# Altium PCB AquaDrone_Main_PCB_V1.PcbDoc (continued)
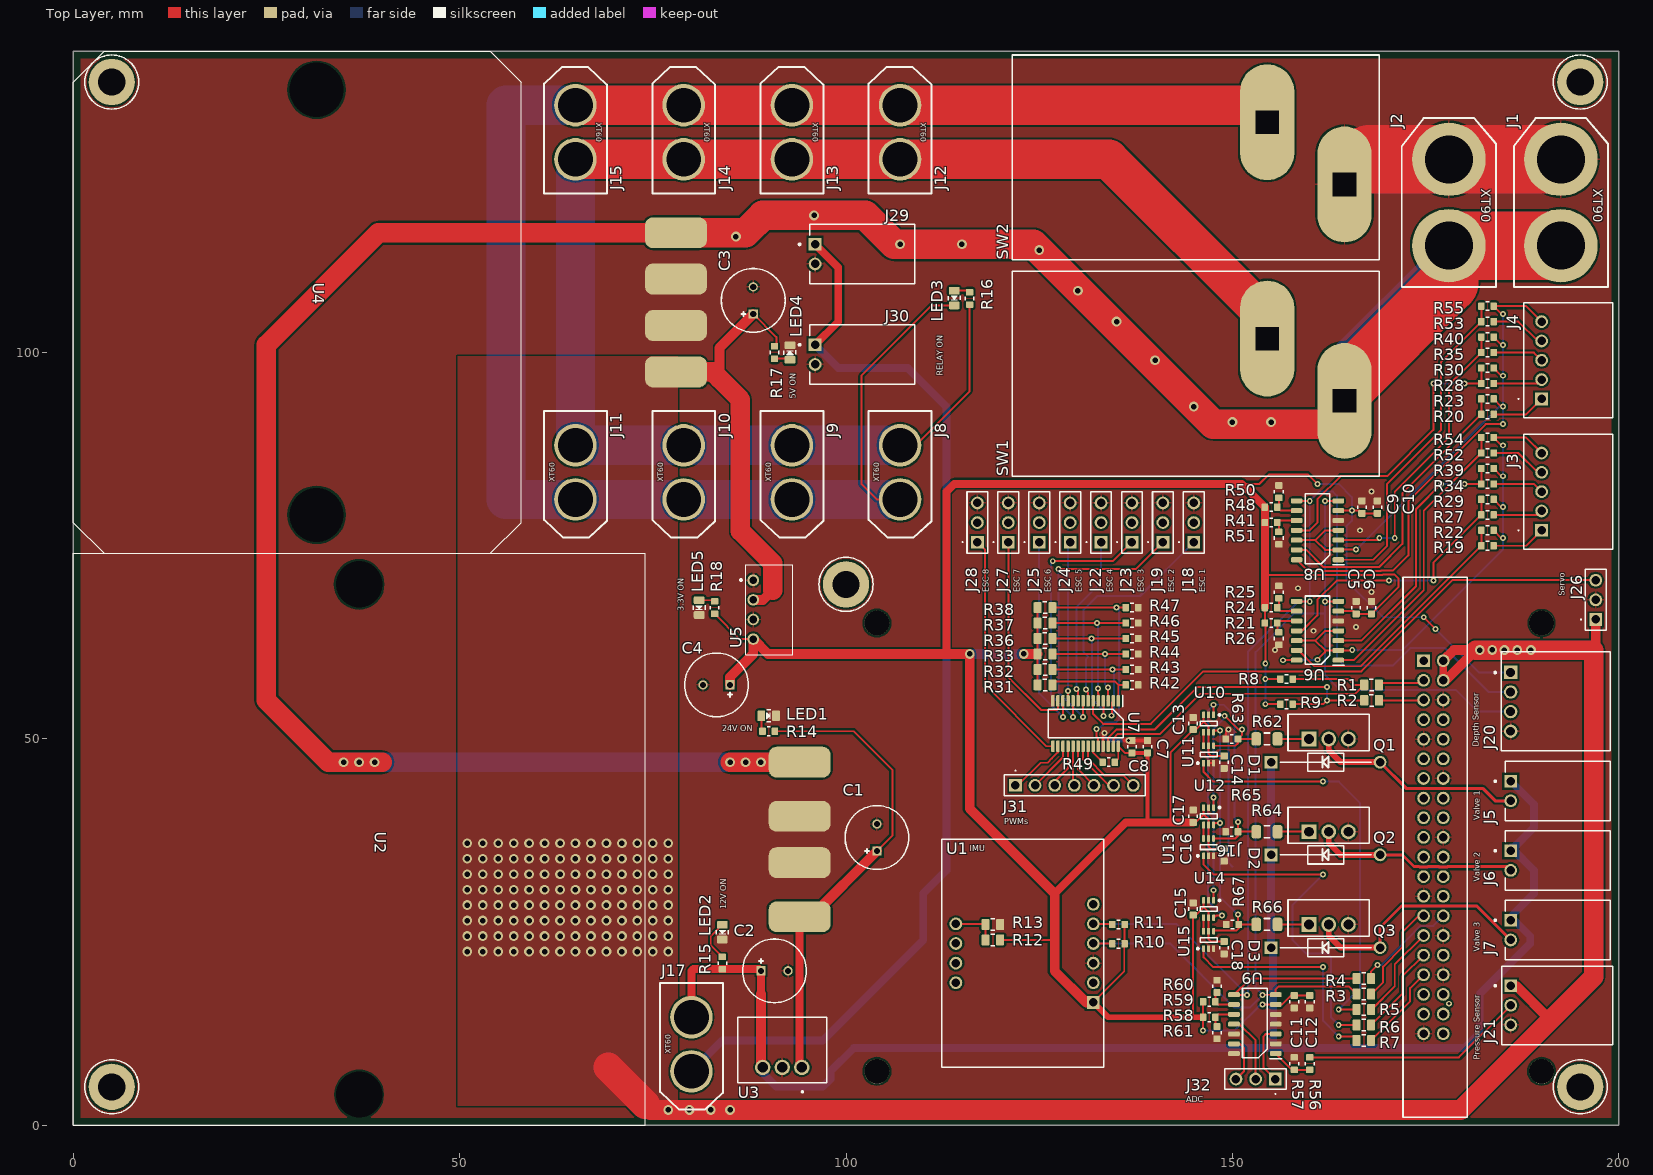
[diagram p0: Top Layer view]
## Footprints (in the part's own frame and the unit in brackets; to place one, negate y for a bottom-side part, rotate by r counter-clockwise, add the part's x,y. Pads: shape width x height; smd on the part's side, far side on the other; paste and mask are expansions set on the pad)
61300311121 [mm]
  rect 1.65x1.65 hole 1.1: 1(0,0)
  round 1.65 hole 1.1: 2(2.54,0) 3(5.08,0)
  silkscreen extent -1.42,-1.35 6.51,1.91, body extent -1.27,-1.27 6.35,1.27, height 8.57
61300711121 [mm]
  rect 1.65x1.65 hole 1.1: 1(0,0)
  round 1.65 hole 1.1: 2(2.54,0) 3(5.08,0) 4(7.62,0) 5(10.16,0) 6(12.7,0) 7(15.24,0)
  silkscreen extent -1.42,-1.35 16.8,1.93, body extent -1.27,-1.26 16.51,1.28, height 8.67
BNO055 [mm]
  rect 1.65x1.65 hole 1.1: 1(0,0)
  round 1.65 hole 1.1: 2(2.54,0) 3(5.08,0) 4(7.62,0) 5(10.16,0) 6(12.7,0) 7(10.16,17.78) 8(7.62,17.78) 9(5.08,17.78) 10(2.54,17.78)
  silkscreen extent -8.4,-1.35 21.1,19.6, body extent -1.32,-1.27 13.92,19.05, height 8.25
CAPC1608X09N [mm] "0603, Body 1.6x0.8x0.94mm, IPC Medium Density"
  rrect25% 0.9x0.95 smd paste+0 mask+0.064: 1(-0.8,0) 2(0.8,0)
  silkscreen extent -0.2,-0.56 0.2,0.56, body extent -0.87,-0.48 0.87,0.48, height 0.87
CAPPRD350W60D825H1700 [mm]
  rect 1.2x1.2 hole 0.8: 1(0,0)
  round 1.2 hole 0.8: 2(3.5,0)
  silkscreen extent -2.37,-4.13 5.87,4.13, body extent -2.5,-4.25 6,4.25, height 17
DIOAD1405W90L465D235 [mm]
  round 1.65 hole 1.1: A(14.1,0)
  rect 1.65x1.65 hole 1.1: K(0,0)
  silkscreen extent 1.17,-1.17 12.93,1.17, body extent -0.45,-1.35 14.5,1.35, height 2.69
"DROK 090183 24V 5A" [mm]
  rrect50% 8x4 smd: 1(57,10) 2(57,3) 3(57,-3) 4(57,-10)
  round 1.6 hole 6 unplated: MH1(0,33) MH2(0,-33)
  silkscreen extent -37,-37 37,37
"DROK 090586 5V 10A" [mm]
  rrect50% 8x4 smd: 1(49,9) 2(49,3) 3(49,-3) 4(49,-9)
  round 1.6 hole 7 unplated: MH1(2.5,27.5) MH2(2.5,-27.5)
  silkscreen extent -29,-32.5 29,32.5
"G9TB-U1ATW-E DC12" [mm] "G9TB-U1ATW-E DC12"
  oval 7x15 hole 3 square: 1(14.5,12.8) 2(24.5,4.75)
  silkscreen extent -18.5,-5 29,21.5, body extent -20.55,-3 27.15,19.5, height 38.2
"Jetson Nano" [mm]
  rect 1.65x1.65 hole 1.1: 1(-24.13,-7.27)
  round 1.65 hole 1.1: 2(-24.13,-4.73) 3(-21.59,-7.27) 4(-21.59,-4.73) 5(-19.05,-7.27) 6(-19.05,-4.73) 7(-16.51,-7.27) 8(-16.51,-4.73) 9(-13.97,-7.27) 10(-13.97,-4.73) 11(-11.43,-7.27) 12(-11.43,-4.73) 13(-8.89,-7.27) 14(-8.89,-4.73) 15(-6.35,-7.27) 16(-6.35,-4.73) 17(-3.81,-7.27) 18(-3.81,-4.73) 19(-1.27,-7.27) 20(-1.27,-4.73) 21(1.27,-7.27) 22(1.27,-4.73) 23(3.81,-7.27) 24(3.81,-4.73) 25(6.35,-7.27) 26(6.35,-4.73) 27(8.89,-7.27) 28(8.89,-4.73) 29(11.43,-7.27) 30(11.43,-4.73) 31(13.97,-7.27) 32(13.97,-4.73) 33(16.51,-7.27) 34(16.51,-4.73) 35(19.05,-7.27) 36(19.05,-4.73) 37(21.59,-7.27) 38(21.59,-4.73) 39(24.13,-7.27) 40(24.13,-4.73)
  round 3.2 hole 3.2 unplated: MH1(-29,8) MH2(29,8) MH3(-29,-78) MH4(29,-78)
  silkscreen extent -34.93,-9.93 34.97,-1.63, body extent -48.51,-88 32.51,12, height 48.28
LED0805 [mm] "0805, Body 2.00x1.25x1.0mm, IPC Medium Density"
  rrect30% 1x1.4 smd mask+0.064: A(0.95,0) K(-0.95,0)
  silkscreen extent -0.28,-0.77 0.28,0.77, body extent -1,-0.62 1,0.63, height 0.7
MH_PTH_H3.0mmXP6.0mm [mm] "Plated Through Hole, 3.0mm hole x 6.0mm pad"
  round 6 hole 3.5 mask+0.064: 1(0,0)
  silkscreen extent -3.5,-3.5 3.5,3.5
PDSE1S5S3S [mm]
  round 1.5 hole 1: 1(0,0) 2(2.54,0) 3(5.08,0) 4(7.62,0)
  silkscreen extent -1.99,-1.72 9.61,5.1, body extent -1.99,-0.9 9.61,5.1, height 10.41
R-78B12-2.0 [mm]
  round 2 hole 1.35: 1(-2.54,-2) 2(0,-2) 3(2.54,-2)
  silkscreen extent -5.75,-8.5 5.75,1.27, body extent -5.75,-8.56 5.75,-0.05, height 18
RESC1608X06N [mm] "0603, Body 1.5x0.8x0.55mm, IPC Medium Density"
  rrect25% 0.85x0.95 smd paste+0 mask+0.064: 1(-0.8,0) 2(0.8,0)
  silkscreen extent -0.2,-0.56 0.2,0.56, body extent -0.85,-0.45 0.85,0.45, height 0.55
RESC2012X07N [mm] "0805, Body 2.0x1.3x0.7mm, IPC Medium Density"
  rrect25% 1.05x1.4 smd paste+0 mask+0.064: 1(-0.95,0) 2(0.95,0)
  silkscreen extent -0.28,-0.75 0.28,0.75, body extent -1.1,-0.67 1.1,0.68, height 0.7
RESC3116X06N [mm] "1206, Body 3.10x1.60x0.65mm, IPC Medium Density"
  rrect50% 1.25x1.75 smd: 1(-1.375,0) 2(1.375,0)
  silkscreen extent -0.35,-0.77 0.35,0.77, body extent -1.65,-0.87 1.65,0.87, height 0.65
SHDR3W89P0X254_1X3_1017X1359X699P [mm]
  rect 1.65x1.65 hole 1.1: 1(0,0)
  round 1.65 hole 1.1: 2(2.54,0) 3(5.08,0)
  silkscreen extent -2.54,-2.12 7.63,13.21, body extent -2.56,-0.7 7.6,12.89, height 7.06
SHDR4W97P0X254_1X4_1271X1359X699P [mm]
  rect 1.725x1.725 hole 1.15: 1(7.62,0)
  round 1.725 hole 1.15: 2(5.08,0) 3(2.54,0) 4(0,0)
  silkscreen extent -2.55,-12.9 10.3,2.12, body extent -2.55,-12.89 10.15,0.7, height 7.06
SHDR5W64P0X250_1X5_1490X1150X610P [mm]
  rect 1.65x1.65 hole 1.1: 1(0,0)
  round 1.65 hole 1.1: 2(-2.5,0) 3(-5,0) 4(-7.5,0) 5(-10,0)
  silkscreen extent -12.45,-3 2.45,9.2, body extent -12.45,-2.35 2.45,9.15, height 6.15
SHDRRA2W109P0_254_1X2_762X1359X699P [mm]
  rect 1.65x1.65 hole 1.1: 1(0,0)
  round 1.65 hole 1.1: 2(-2.54,0)
  silkscreen extent -5.12,-12.9 2.58,2.12, body extent -4.97,-12.89 2.4,0.7, height 7.06
SOIC127P600X175-14N [mm]
  rrect50% 1.5x0.65 smd: 1(-2.7,3.81) 2(-2.7,2.54) 3(-2.7,1.27) 4(-2.7,0) 5(-2.7,-1.27) 6(-2.7,-2.54) 7(-2.7,-3.81) 8(2.7,-3.81) 9(2.7,-2.54) 10(2.7,-1.27) 11(2.7,0) 12(2.7,1.27) 13(2.7,2.54) 14(2.7,3.81)
  silkscreen extent -3.45,-4.5 1.6,4.48, body extent -3,-4.33 3,4.33, height 1.75
SOP65P640X110-28N [mm]
  rrect50% 1.475x0.45 smd: 1(-2.938,4.225) 2(-2.938,3.575) 3(-2.938,2.925) 4(-2.938,2.275) 5(-2.938,1.625) 6(-2.938,0.975) 7(-2.938,0.325) 8(-2.938,-0.325) 9(-2.938,-0.975) 10(-2.938,-1.625) 11(-2.938,-2.275) 12(-2.938,-2.925) 13(-2.938,-3.575) 14(-2.938,-4.225) 15(2.938,-4.225) 16(2.938,-3.575) 17(2.938,-2.925) 18(2.938,-2.275) 19(2.938,-1.625) 20(2.938,-0.975) 21(2.938,-0.325) 22(2.938,0.325) 23(2.938,0.975) 24(2.938,1.625) 25(2.938,2.275) 26(2.938,2.925) 27(2.938,3.575) 28(2.938,4.225)
  silkscreen extent -3.67,-4.85 1.85,4.9, body extent -3.2,-4.85 3.2,4.85, height 1.1
SOT65P210X110-6N_SN74LVC1G97DCK [mm] "SOT23, 6-Leads, Body 2.00x2.10mm, Pitch 0.65mm, IPC Medium Density"
  rrect50% 0.85x0.4 smd: 1(-1.125,0.65) 2(-1.125,0) 3(-1.125,-0.65) 4(1.125,-0.65) 5(1.125,0) 6(1.125,0.65)
  silkscreen extent -1.25,-1.1 0.3,1.53, body extent -1.2,-1.07 1.2,1.07, height 1.1
TO254P469X1042X1967-3P [mm]
  rect 1.92x1.92 hole 1.28: 1(0,0)
  round 1.92 hole 1.28: 2(2.54,0) 3(5.08,0)
  silkscreen extent -2.73,-1.5 7.81,3.19, body extent -2.67,-1.49 7.75,3.2, height 15.34
XT60 [mil] "XT60 Connector"
  round 216.5 hole 177.16: 1(0,0) 2(275.6,0)
  silkscreen extent -195,-160 450,160, body extent -191,-160 451,163, height 677
XT90 [mm] "XT90 Connector"
  round 9.5 hole 6.2: 1(0,0) 2(11.176,0)
  silkscreen extent -5.33,-6.1 16.51,6.1, body extent -5.1,-5.8 16.3,5.2, height 20.7

## Part data
C1 C2 C3 C4: DIELECTRIC=ALUM, TOLERANCE=20%, VOLTAGE=100V, COST=0.18, MFG=Nichicon, MFG_PART_NO=UPM2A330MPD1TD
C5 C8 C9 C11 C13 C14 C15 C16 C17 C18: DIELECTRIC=X7R, TOLERANCE=20%, VOLTAGE=16V, COST=0.14, MFG=KEMET, MFG_PART_NO=C0603C104M4RACTU
C6 C7 C10 C12: DIELECTRIC=X5R, TOLERANCE=20%, VOLTAGE=25V, COST=0.14, MFG=KEMET, MFG_PART_NO=C1608X5R1E106M080AC
D1 D2 D3: CURRENT=1A, COST=0.14, MFG="Micro Commercial Co", MFG_PART_NO=1N4007-TP, VR=1000V
H1 H2 H3 H4 H5: "PTH, 3.0mm"
R8 R9 R10 R11 R14 R15 R16 R17 R18 R19 R20 R21 R22 R23 R24 R25 R26 R27 R28 R29 R30 R34 R35 R39 R40 R41 R42 R43 R44 R45 R46 R47 R48 R49 R50 R51 R52 R53 R54 R55 R56 R57 R58 R59 R60 R61 R63 R65 R67: TOLERANCE=1%, COST=0.15
  R8 R9 R10 R11 R14 R15 R16 R17 R18 R25 R26 R42 R43 R44 R45 R46 R47 R49 R50 R52 R53 R57 R58 R60 R63 R65 R67: MFG="Vishay Dale", MFG_PART_NO=CRCW060310K0FKEA
  R19 R20: MFG="Vishay Dale", MFG_PART_NO=CRCW0603127KFKEA
  R21 R24 R41 R48 R51 R59 R61: MFG="Vishay Dale", MFG_PART_NO=CRCW060310K0FKEA, NOSTUFF=DNP
  R22 R23 R29 R30 R39 R40 R54 R55: MFG=Yageo, MFG_PART_NO=RC0603FR-0728K7L
  R27 R28: MFG=Yageo, MFG_PART_NO=RC0603FR-0786K6L
  R34 R35: MFG=Yageo, MFG_PART_NO=RC0603FR-0747KL
  R56: MFG=Yageo, MFG_PART_NO=RC0603FR-074K53L
R62 R64 R66: POWER=0.5W, TOLERANCE=1%, COST=0.15, MFG="Stackpole Electronics Inc", MFG_PART_NO=RNCP1206FTD100R
J1 J2: COST=5.66000, MFG=DFRobot, MFG_PART_NO=FIT0588
J3 J4: COST=0.43, MFG="JST Sales America Inc.", MFG_PART_NO=S5B-XH-A(LF)(SN)
J5 J6 J7 J29 J30: COST=1.12, MFG=Molex, MFG_PART_NO=0705530001
J8 J9 J10 J11 J12 J13 J14 J15 J17: COST=2.18, MFG=DFRobot, MFG_PART_NO=FIT0587
J16: COST=60, MFG=Jetson, MFG_PART_NO=Nano
J18 J19 J22 J23 J24 J25 J26 J27 J28 J32: COST=0.18, MFG="Wurth Electronics Inc.", MFG_PART_NO=61300311121
J20: COST=1.51, MFG=Molex, MFG_PART_NO=0705530003
J21: COST=1.47, MFG=Molex, MFG_PART_NO=0705530002
J31: COST=0.53, MFG="Wurth Electronics Inc.", MFG_PART_NO=61300711121
LED1 LED2 LED3 LED4 LED5: COST=0.26, MFG="Würth Elektronik", MFG_PART_NO=150080VS75000
Q1 Q2 Q3: COST=1.47, MFG="Infineon Technologies", MFG_PART_NO=IRLZ44NPBF
R1 R2 R3 R4 R5 R6 R7: COST=0.15, MFG=Panasonic, MFG_PART_NO=ERJ-6GEY0R00V
R12 R13 R31 R32 R33 R36 R37 R38: COST=0.15, MFG=Panasonic, MFG_PART_NO=ERJ-6GEY0R00V, NOSTUFF=DNP
SW1 SW2: COST=23.27, MFG=Omron, MFG_PART_NO="G9TB-U1ATW-E DC12"
U1: COST=50, MFG="Adafruit Industries LLC", MFG_PART_NO=BNO055
U2: COST=30, MFG=DROK, MFG_PART_NO=090183
U3: COST=14.18, MFG="Recom Power", MFG_PART_NO=R-78B12-2.0
U4: COST=15, MFG=DROK, MFG_PART_NO=090586
U5: COST=3.07, MFG="CUI Inc.", MFG_PART_NO=PDSE1-S5-S3-S
U6 U8 U9: COST=5.98, MFG="Microchip Technology", MFG_PART_NO=MCP3424-E/SL
U7: COST=3.46, MFG="NXP USA Inc.", MFG_PART_NO=PCA9685PW,112
U10 U11 U12 U13 U14 U15: COST=0.58, MFG=TI, MFG_PART_NO=SN74LVC1G97DBVR

## Via types
v1: diameter 1.27, hole 0.711, Top Layer to Bottom Layer, tented top, 115 vias
v2: diameter 0.762, hole 0.381, Top Layer to Bottom Layer, 84 vias
v3: diameter 1.27, hole 0.711, Top Layer to Bottom Layer, 25 vias

## Nets (pads, with @x,y where several pads share a name; then routed paths per layer and width w, separated by ;. In a path a pad name is that pad's centre, name@x,y a point inside that pad or via, vN(x,y) a via of type N, cw(c..) or ccw(c..) an arc to the next point about the centre after c; other vN are vias at no path point)
3.3V: C4.1 C5.2 C6.2 C7.2 C8.2 C9.2 C10.2 C11.2 C12.2 C13.2 C14.2 C15.2 C16.2 C17.2 C18.2 J20.1 R8.2 R9.2 R10.2 R11.2 R12.1 R18.2 R21.1 R24.1 R31.1 R32.1 R33.1 R36.1 R37.1 R38.1 R41.1 R48.1 R49.1 R58.1 R59.1 U1.1 U5.4 U6.6 U7.28 U8.6 U9.6 U10.3 U10.5 U11.5 U12.3 U12.5 U13.5 U14.3 U14.5 U15.5 | length 437
  Top Layer w0.254: R18.2 86.28,62.92 U5.4 ; R12.1 127,24 ; R31.1 R32.1 R33.1 R36.1 R37.1 R38.1 ; U1.1 136,19.92 136,23.45 R10.2 R11.2 ; R49.1 135.225,47.425 U7.28 136.087,48.2 C8.2 ; 142,39.2 142,48.28 C13.2 145.24,51.2 146.27,52.23 ; C15.2 144.92,14.08 145,14 ; C15.2@145.24,27.2 146.27,28.23 ; C17.2@145.24,39.2 146.27,40.23 ; v2(146.2,12.3) R58.1 R59.1 ; U14.3 146.27,28.23 ; U12.3 146.27,40.23 ; U10.3 146.27,52.23 ; C18.2 147.2,23.8 146.92,24.08 U15.5 U14.5 146.92,27.58 146.27,28.23 ; C16.2 147.2,35.8 146.92,36.08 U13.5 U12.5 146.92,39.58 146.27,40.23 ; C14.2 147.2,47.8 146.92,48.08 U11.5 U10.5 146.92,51.58 146.27,52.23 ; 151.2,83 153.5,83 154.75,84.25 159.75,84.25 v2(161,83) ; v2(153.9,15.63) U9.6 156.39,15.64 157.55,16.8 C11.2 C12.2 ; R24.1 R21.1 154.5,64.7 154.25,64.45 v2(154.25,59.75) ; 154.2,71.25 154.216,71.234 169.421,71.234 169.449,71.262 170.988,71.262 171.5,70.75 171.5,69.7 C6.2 C5.2 165.66,66.54 U6.6 ; v2(154.25,54.5) R9.2 ; v2(154.25,57.75) R8.2 ; U8.6 v2(165.46,79.54) 166.41,79.54 C9.2 C10.2 ; v2(174.75,65.75) v2(176.25,64.25)
  Top Layer w0.508: C8.2 C7.2 139,39.2
  Top Layer w0.762: U1.1 133.92,14 145,14 R58.1
  Top Layer w1.016: 113,61 113,82 114,83 151.2,83 R48.1 R41.1 154.2,71.25 R24.1 ; 127,30 136.2,39.2 139,39.2 142,39.2 C17.2
  Top Layer w1.27: C4.1 85,58 88,61 U5.4 89.92,61 113,61 v3(116,61) 116,41 127,30 127,24 127,20 131.08,15.92 U1.1 ; v3(123,61) R33.1
  Bottom Layer w0.254: v2(146.2,12.3) 150.3,12.3 153.63,15.63 v2(153.9,15.63) ; v2(154.25,54.5) v2(154.25,57.75) v2(154.25,59.75) ; v2(161,83) 163.75,83 165.46,81.29 v2(165.46,79.54) 165.46,78.21 164.75,77.5 164.75,70.5 169.5,65.75 v2(174.75,65.75) ; v2(176.25,64.25) 181.88,58.62 J20.1
  Bottom Layer w1.27: v3(116,61) v3(123,61)
5.0V: C3.1 J16.2 J16.4 J21.1 J26.1 R17.2 U4.4 U5.2 | length 467.3
  Top Layer w0.254: C3.1 91,102 R17.2@91,100.8
  Top Layer w1.016: J16.4 J16.2
  Top Layer w1.27: 74.75,2 74.75,2.25 ; 83.625,96.625 83.625,100.625 C3.1 ; U5.2 89.25,68 90.5,69.25 ; J16.2 178.64,61.5 181.5,61.5 J16.4@177.59,57.59 ; J21.1 186.67,18.08 191.125,13.625 ; 196.75,61.5 197,61.75 J26.1
  Top Layer w2.54: 74.75,2 v3(77,2) v3(79.75,2) v3(82.5,2) v3(85,2) 179.5,2 191.125,13.625 196.75,19.25 196.75,61.5 v3(186.842,61.5) v3(185.191,61.5) v3(182,61.5) v3@181.5,61.5 ; U4.4 82.75,97.5 83.625,96.625 86.335,93.915 86.335,76.915 90.5,72.75 90.5,69.25
  Top Layer w3.81: 69.25,7.5 74,2.75
  Bottom Layer w1.016: J16.4 J16.2
  Bottom Layer w2.54: 74.75,2 v3(77,2) v3(79.75,2) v3(82.5,2) v3(85,2) 179.5,2 196.75,19.25 196.75,61.5 v3(186.842,61.5) v3(185.191,61.5) v3@182.5,61.5
  Bottom Layer w3.81: 69.25,7.5 74,2.75
  other v1: 51,22.5 53,22.5 55,22.5 57,22.5 59,22.5 61,22.5 63,22.5 65,22.5 67,22.5 69,22.5 71,22.5 73,22.5 75,22.5 77,22.5 51,24.5 53,24.5 55,24.5 57,24.5 59,24.5 61,24.5 63,24.5 65,24.5 67,24.5 69,24.5 71,24.5 73,24.5 75,24.5 77,24.5 51,26.5 53,26.5 55,26.5 57,26.5 59,26.5 61,26.5 63,26.5 65,26.5 67,26.5 69,26.5 71,26.5 73,26.5 75,26.5 77,26.5 51,28.5 53,28.5 55,28.5 57,28.5 59,28.5 61,28.5 63,28.5 65,28.5 67,28.5 69,28.5 71,28.5 73,28.5 75,28.5 77,28.5 51,30.5 53,30.5 55,30.5 57,30.5 59,30.5 61,30.5 63,30.5 65,30.5 67,30.5 69,30.5 71,30.5 73,30.5 75,30.5 77,30.5 51,32.5 53,32.5 55,32.5 57,32.5 59,32.5 61,32.5 63,32.5 65,32.5 67,32.5 69,32.5 71,32.5 73,32.5 75,32.5 77,32.5 51,34.5 53,34.5 55,34.5 57,34.5 59,34.5 61,34.5 63,34.5 65,34.5 67,34.5 69,34.5 71,34.5 73,34.5 75,34.5 77,34.5 51,36.5 53,36.5 55,36.5 57,36.5 59,36.5 61,36.5 63,36.5 65,36.5 67,36.5 69,36.5 71,36.5 73,36.5 75,36.5 77,36.5
  other v3: 188.62,61.493 183.617,61.519
12.0V: C2.1 D1.K D2.K D3.K J5.1 J6.1 J7.1 J17.2 R15.2 U3.3 | length 204.2
  Top Layer w0.254: U3.3@89,7.71 U3.3
  Top Layer w1.016: J17.2 80,20 80.25,20.25 88.75,20.25 C2.1 89,17
  Top Layer w1.27: U3.3@89,7.71 89,17
  Bottom Layer w0.254: U3.3@89.21,6.79 U3.3 ; D3.K D3.K@155.25,22.75
  Bottom Layer w1.016: U3.3@89.21,6.79 91,5 97,5 98,6 98,7 101,10 155.25,10 ; D3.K D2.K D1.K ; D3.K@155.25,22.75 155.25,10 ; J7.1 186.46,26.54 188.54,24.46 188.54,23.54 182,17 182,12 180,10 155.25,10 ; J7.1@186,27 189,30 189,33 J6.1@186.23,35.77 ; J6.1 J6.1@186.23,35.77 ; J6.1@186,36 J6.1@186.23,35.77 ; J5.1 189,41.54 189,38.54 J6.1@186.23,35.77
12V_RELAY: J17.1 J29.1 J30.1 | length 143.1
  Top Layer w1.016: J30.1 99,104 99,111 J29.1
  Bottom Layer w1.016: J17.1 84,11 97,11 110,24 110,30 113,33 113,93 108,98 99,98 J30.1
24.0V: C1.1 R14.2 U2.4 U3.1 | length 61.7
  Top Layer w0.254: R14.2 101,51 106,46 106,37.5 C1.1 ; U3.1@94,7.79 U3.1 ; U2.4 U2.4@95.5,27
  Top Layer w1.016: U3.1@94,7.79 U2.4
  Top Layer w1.27: U2.4@95.5,27 C1.1
A0_5: R31.2 R42.2 U7.1 | length 11.9
  Top Layer w0.254: R31.2 127.129,57.429 134.821,57.429 135.25,57 ; U7.1 135.225,56.975 135.25,57 ; R42.2 135.25,57
A1_5: R32.2 R43.2 U7.2 | length 17.7
  Top Layer w0.254: R32.2 R43.2 ; v2(134.366,53.01) 134.433,53.077 134.433,54.768 134.589,54.924 U7.2
  Bottom Layer w0.254: v2(134.366,53.01) 134.671,53.315 134.671,58.829 v2(134.5,59)
A2_5: R33.2 R44.2 U7.3 | length 15.8
  Top Layer w0.254: R33.2 R44.2 ; v2(133.909,56.667) 133.909,55.056 133.858,55.005 U7.3
  Bottom Layer w0.254: v2(133.5,61) 133.5,57.076 v2(133.909,56.667)
A3_5: R36.2 R45.2 U7.4 | length 22.1
  Top Layer w0.254: R36.2 R45.2 ; U7.4 133.299,54.914 v2(133.299,52.984)
  Bottom Layer w0.254: v2(131.75,63) 131.851,62.899 131.851,56.856 131.826,56.831 131.826,55.2 133.299,53.727 v2(133.299,52.984)
A4_5: R37.2 R46.2 U7.5 | length 19.7
  Top Layer w0.254: R37.2 R46.2 ; v2(132.588,56.515) 132.588,55.848 132.669,55.767 132.669,54.982 U7.5
  Bottom Layer w0.254: v2(132.5,65) 132.588,64.912 v2(132.588,56.515)
A5_5: R38.2 R47.2 U7.24 | length 30.4
  Top Layer w0.254: R38.2 R47.2 R47.2@136.2,67.3 ; U7.24 132.625,50.047 132.41,50.262 v2(132.41,51.308) 132.558,51.308 v2@132.625,51.375
  Bottom Layer w0.254: v2(132.41,51.308) 132.7,51.308 133.519,52.126 134.905,52.126 135.351,52.573 135.351,66.649 v2(135,67)
ESC1_PWM: J18.1 U7.7 | length 30.1
  Top Layer w0.254: v2(131.064,56.413) 131.064,56.236 131.325,55.975 U7.7
  Bottom Layer w0.254: v2(131.064,56.413) 131.064,60.377 131.343,60.657 130.75,61.25 130.75,66.75 132.5,68.5 138.04,68.5 J18.1
ESC2_PWM: J19.1 U7.8 | length 37.5
  Top Layer w0.254: v2(127.5,72) 137.54,72 J19.1 ; v2(130.675,52.825) U7.8
  Bottom Layer w0.254: v2(127.5,72) 127.5,56 v2(130.675,52.825)
ESC3_PWM: J22.1 U7.9 | length 21.9
  Top Layer w0.254: v2(129.819,56.49) 130.025,56.284 U7.9
  Bottom Layer w0.254: v2(129.819,56.49) 129.819,67.069 133,70.25 J22.1
ESC4_PWM: J23.1 U7.10 | length 34.9
  Top Layer w0.254: v2(126.75,73) 134.54,73 J23.1 ; v2(129.375,52.825) U7.10
  Bottom Layer w0.254: v2(126.75,73) 126.5,72.75 126.5,55.7 v2(129.375,52.825)
ESC5_PWM: J24.1 U7.11 | length 20.6
  Top Layer w0.254: U7.11 v2(128.725,56.225)
  Bottom Layer w0.254: v2(128.725,56.225) 128.725,75.185 J24.1
ESC6_PWM: J25.1 U7.12 | length 26
  Top Layer w0.254: v2(128.075,52.825) U7.12
  Bottom Layer w0.254: J25.1 125,55.9 v2(128.075,52.825)
ESC7_PWM: J27.1 U7.13 | length 26.7
  Top Layer w0.254: J27.1 121,58 125.25,53.75 127.25,53.75 127.425,53.925 U7.13
ESC8_PWM: J28.1 U7.15 | length 30.9
  Top Layer w0.254: J28.1 118,74.46 118,57 125.938,49.062 U7.15
GND: C1.2 C2.2 C3.2 C4.2 C5.1 C6.1 C7.1 C8.1 C9.1 C10.1 C11.1 C12.1 C13.1 C14.1 C15.1 C16.1 C17.1 C18.1 J1.1 J2.1 J16.6 J16.9 J16.14 J16.20 J16.25 J16.30 J16.34 J16.39 J18.3 J19.3 J20.4 J21.3 J22.3 J23.3 J24.3 J25.3 J26.2 J27.3 J28.3 J29.2 J30.2 LED1.K LED2.K LED4.K LED5.K Q1.3 Q2.3 Q3.3 R13.2 R25.1 R26.1 R42.1 R43.1 R44.1 R45.1 R46.1 R47.1 R50.1 R51.1 R57.1 R60.1 R61.1 R63.1 R65.1 R67.1 SW2.2 U1.3 U2.2 U2.3 U3.2 U4.2 U4.3 U5.1 U5.3 U6.5 U7.14 U7.25 U8.5 U9.2 U9.4 U9.5 U9.12 U9.14 U10.2 U11.2 U11.3 U12.2 U13.2 U13.3 U14.2 U15.2 U15.3 | length 87.5
  Top Layer w0.254: U7.25 133.275,50.598 v2(133.452,50.775) ; U11.2 U11.3 ; R63.1 149.149,50.029 149.149,50.899 v2(149.5,51.25) 149.267,51.25 v2@149.196,51.179 ; J2.1@176,125 J2.1
  Top Layer w0.508: 136.087,49.8 v2(136.576,49.8) C8.1 C7.1
  Top Layer w6.35: SW2.2 SW2.2@167.75,125
  Top Layer w8.89: SW2.2@167.75,125 J2.1@176,125 ; J2.1 J1.1
  Bottom Layer w0.254: v2(133.452,50.775) 133.452,50.298 133.5,50.25 ; 135.75,49.8 v2(136.576,49.8) ; v2(149.5,51.25) 149.5,34 150,33.5 ; SW2.2 SW2.2@167.75,125
  Bottom Layer w0.508: 133.5,50.25 133.95,49.8 135.75,49.8
  Bottom Layer w8.89: SW2.2@167.75,125 J2.1 J1.1
  other v2: 155.5,61.5 160.5,64 166,64.5 168,69 158.5,69.5 166.5,77 168,82
I2C1_SCL: J20.2 R4.2 R11.1 U1.5 U6.8 U8.8 U9.8 | length 167.5
  Top Layer w0.254: U1.5 134.37,26.08 R11.1 ; U9.8@150.2,16.9 v2(151.9,16.9) ; U9.8 152.29,19 R4.2 ; U6.8 v2(160,67.81) ; U8.8 v2(160,80.81)
  Bottom Layer w0.254: U1.5 142.72,26.08 v2(151.9,16.9) 152.012,17.012 152.012,61.262 158.56,67.81 v2(160,67.81) v2(160,80.81) 161.19,82 163,82 163.5,81.5 163.5,60.5 164.5,59.5 170.75,59.5 173,61.75 177.5,61.75 183.17,56.08 J20.2
I2C1_SDA: J20.3 R3.1 R10.1 U1.4 U6.7 U8.7 U9.7 | length 149.7
  Top Layer w0.254: U1.4 134.24,23.54 R10.1@134.45,23.75 ; v2(153.9,16.9) U9.7 155.6,17.6 156,18 165.05,18 R3.1 ; v2(162,67.81) U6.7 ; v2(162,80.81) U8.7
  Bottom Layer w0.254: U1.4 141.96,23.54 150.25,15.25 152.25,15.25 v2(153.9,16.9) 153,17.8 153,61.25 158,66.25 162,66.25 ; v2(162,80.81) v2(162,67.81) 162,66.25 ; J20.3 181.71,53.54 178.887,56.363 163.887,56.363 162,58.25 162,66.25
I2C2_SCL: R2.1 R9.1 U7.26 | length 43.5
  Top Layer w0.254: U7.26@134,49.137 U7.26 133.925,50.143 135.013,51.232 139.982,51.232 145.5,56.75 v2(162.25,56.75) ; R9.1 161.75,54.5 v2(162.25,55) R2.1
  Bottom Layer w0.254: v2(162.25,55) v2(162.25,56.75)
I2C2_SDA: R1.1 R8.1 U7.27 | length 45.9
  Top Layer w0.254: U7.27 134.619,49.106 134.619,50.119 135.148,50.648 140.648,50.648 145.855,55.855 165.905,55.855 R1.1 165.75,57 165,57.75 R8.1
NetJ16_3: J16.3 R1.2 | length 6
  Top Layer w0.254: R1.2 169.2,57.25 174.39,57.25 J16.3
NetJ16_5: J16.5 R2.2 | length 5.8
  Top Layer w0.254: R2.2 174.68,55 J16.5
NetJ16_27: J16.27 R3.2 | length 13.3
  Top Layer w0.254: R3.2 169.5,18.55 169.5,20.55 172,23.05 172,25 174.11,27.11 J16.27
NetJ16_28: J16.28 R4.1 | length 13.3
  Top Layer w0.254: R4.1 167.95,19.95 v2(168.75,20.75)
  Bottom Layer w0.254: v2(168.75,20.75) 169.25,20.75 173.524,25.024 173.524,25.07 174.286,25.832 175.992,25.832 J16.28
NetJ16_29: J16.29 R5.2 | length 12.4
  Top Layer w0.254: R5.2@168,15 171,18 171,20.84 J16.29
NetJ16_31: J16.31 R6.2 | length 11.8
  Top Layer w0.254: R6.2 172,17.05 172,19.3 J16.31
NetJ16_33: J16.33 R7.2 | length 11.3
  Top Layer w0.254: R7.2 173,16.05 173,17.76 J16.33
NetJ31_1: J31.1 U7.16 | length 8.1
  Top Layer w0.254: J31.1 122.25,44 125.176,46.926 126.074,46.926 126.648,47.5 127.425,48.277 U7.16
NetJ31_2: J31.2 U7.17 | length 6.6
  Top Layer w0.254: J31.2 128.075,47.615 U7.17
NetJ31_3: J31.3 U7.18 | length 5.8
  Top Layer w0.254: J31.3 127,44.5 128.725,46.225 U7.18
NetJ31_4: J31.4 U7.19 | length 5.1
  Top Layer w0.254: U7.19 129.375,44.165 J31.4
NetJ31_5: J31.5 U7.20 | length 5.9
  Top Layer w0.254: U7.20 130.025,46.055 J31.5
NetJ31_6: J31.6 U7.21 | length 7.1
  Top Layer w0.254: U7.21 130.675,47.325 134,44 J31.6
NetJ31_7: J31.7 U7.22 | length 8.9
  Top Layer w0.254: U7.22 131.325,47.425 133.5,45.25 135.91,45.25 J31.7
NetJ32_1: J32.1 U9.3 | length 7.9
  Top Layer w0.254: J32.1 154,7.54 154,11.5 154.33,11.83 U9.3
NetJ32_2: J32.2 U9.11 | length 8.7
  Top Layer w0.254: U9.11 150.9,13.1 153,11 J32.2
NetJ32_3: J32.3 U9.13 | length 6
  Top Layer w0.254: U9.13 150.94,10.56 151.5,10 151.5,7.04 J32.3
NetLED1_A: LED1.A R14.1 | length 2.1
  Top Layer w0.254: LED1.A 89.05,51.15 R14.1
NetLED2_A: LED2.A R15.1 | length 5.4
  Top Layer w0.254: R15.1 82.5,23.3 82.5,24.45 LED2.A
NetLED3_A: LED3.A R16.1 | length 2.1
  Top Layer w0.254: LED3.A 115.8,108 R16.1
NetLED4_A: LED4.A R17.1 | length 2.1
  Top Layer w0.254: R17.1@91,99.2 92.85,99.2 LED4.A@93,99.05
NetLED5_A: LED5.A R18.1 | length 2.1
  Top Layer w0.254: LED5.A 82.85,67.95 R18.1
NetQ1_1: Q1.1 R62.2 | length 4.1
  Top Layer w0.254: R62.2 Q1.1
NetQ2_1: Q2.1 R64.2 | length 4.1
  Top Layer w0.254: R64.2 Q2.1
NetQ3_1: Q3.1 R66.2 | length 4.1
  Top Layer w0.254: R66.2 Q3.1
NetR12_2: R12.2 R13.1 U1.7 | length 5.9
  Top Layer w0.254: U1.7 117.97,26.08 R13.1 R12.2
NetR21_2: R21.2 R26.2 U6.10 | length 3.9
  Top Layer w0.254: R26.2 155.8,64 R21.2 156.07,65.27 U6.10
NetR24_2: R24.2 R25.2 U6.9 | length 4
  Top Layer w0.254: R25.2 156,67.2 R24.2 156.26,66.54 U6.9
NetR41_2: R41.2 R51.2 U8.10 | length 3.9
  Top Layer w0.254: R51.2 156,77.8 R41.2 156.07,78.27 U8.10
NetR48_2: R48.2 R50.2 U8.9 | length 4
  Top Layer w0.254: R50.2 156,80.2 R48.2 156.26,79.54 U8.9
NetR49_2: R49.2 U7.23 | length 2.6
  Top Layer w0.254: U7.23 131.975,48.225 R49.2
NetR58_2: R58.2 R61.2 U9.10 | length 3.8
  Top Layer w0.254: R61.2 147.8,13 R58.2 148.17,14.37 U9.10
NetR59_2: R59.2 R60.2 U9.9 | length 3.8
  Top Layer w0.254: R60.2 147.8,17 R59.2 148.16,15.64 U9.9
P1C1_5: R52.1 R54.2 U6.1 | length 37.6
  Top Layer w0.254: U6.1 165.69,60.19 174.75,69.25 174.75,79.55 R52.1 R54.2
P1C2_5: R34.1 R39.2 U6.3 | length 34.7
  Top Layer w0.254: U6.3 166.691,62.73 173.75,69.789 173.75,79.75 v2(177,83) ; v2(180,83) R34.1 R39.2
  Bottom Layer w0.254: v2(177,83) v2(180,83)
P1C3_5: R27.1 R29.2 U6.11 | length 34.6
  Top Layer w0.254: U6.11 159,64 161,66 161,68 163.5,70.5 v2(170.25,70.5) ; v2(176,70.5) 176,72.8 R27.1 R29.2
  Bottom Layer w0.254: v2(170.25,70.5) v2(176,70.5)
P1C4_5: R19.1 R22.2 U6.13 | length 33.2
  Top Layer w0.254: U6.13 158.549,61.46 160.598,59.411 166.611,59.411 R19.1 R22.2
P2C1_5: R53.1 R55.2 U8.1 | length 43.4
  Top Layer w0.254: U8.1@163.51,73 U8.1 168.19,73.19 170,75 170,83 177,90 177,98.8 R53.1 R55.2
P2C2_5: R35.1 R40.2 U8.3 | length 38.1
  Top Layer w0.254: U8.3 168.73,75.73 v2(169,76) ; v2(171,76) 171,82 178,89 178,95.8 R35.1 R40.2
  Bottom Layer w0.254: v2(169,76) v2(171,76)
P2C3_5: R28.1 R30.2 U8.11 | length 39
  Top Layer w0.254: U8.11 160,77 161,78 161,81 164,84 170,84 176,90 v2(176,96) ; v2(180,96) R28.1 R30.2
  Bottom Layer w0.254: v2(176,96) v2(180,96)
P2C4_5: R20.1 R23.2 U8.13 | length 38.8
  Top Layer w0.254: U8.13 159.54,74.46 161.75,72.25 169,72.25 172,75.25 172,81.8 R20.1 R23.2
Pack1_Cell0: J3.5 R22.1 R29.1 R39.1 R54.1 U6.2 U6.4 U6.12 U6.14 | length 70.1
  Top Layer w0.254: v2(156.56,60.19) U6.14 ; U6.12 160.73,62.73 ; v2(161,60.25) 161.96,61.21 161.96,61.46 162,61.46 ; U6.4 162,64 160.73,62.73 ; v2@165.46,61.46 U6.2 162,61.46 ; R22.1 v2@184.8,76 ; R29.1 v2@184.8,80 ; R39.1 v2@184.8,84 ; v2@184.8,88 R54.1 188,89 J3.5 ; 160.73,62.73 162,61.46
  Bottom Layer w0.254: v2(156.56,60.19) 160.94,60.19 v2(161,60.25) ; v2(165.5,61.5) 172,61.5 185,74.5 v2(185,76) v2(185,80) v2(185,84) v2(185,88)
Pack1_Cell1: J3.4 R52.2 | length 6.7
  Top Layer w0.254: R52.2 187,87 J3.4@189.5,84.5
Pack1_Cell2: J3.3 R34.2 | length 6.6
  Top Layer w0.254: R34.2 189,83 J3.3
Pack1_Cell3: J3.2 R27.2 | length 5.7
  Top Layer w0.254: R27.2 J3.2@189.5,79
Pack1_Cell4: J3.1 R19.2 | length 7
  Top Layer w0.254: R19.2 188,75 J3.1
Pack2_Cell0: J4.5 R23.1 R30.1 R40.1 R55.1 U8.2 U8.4 U8.12 U8.14 | length 104.8
  Top Layer w0.254: U8.14 159.748,71.742 169.21,71.742 169.238,71.77 170.77,71.77 172.75,73.75 172.75,80.75 182.75,90.75 v2(185,90.75) ; U8.12 160.73,75.73 ; U8.4 162,77 160.73,75.73 ; v2(166,74.5) 163.74,74.5 U8.2 162,74.46 160.73,75.73 ; R23.1 v2@184.8,93 ; R30.1 v2@184.8,97 ; R40.1 v2@184.8,101 ; v2(185,105) 184.8,105 R55.1 188,106 J4.5
  Bottom Layer w0.254: v2(166,74.5) 184.5,93 v2(185,93) ; v2(185,90.75) v2(185,93) ; v2(185,105) v2(185,101) v2(185,97) v2(185,93)
Pack2_Cell1: J4.4 R53.2 | length 7.2
  Top Layer w0.254: R53.2 187,104 189.5,101.5 J4.4
Pack2_Cell2: J4.3 R35.2 | length 6.6
  Top Layer w0.254: R35.2 189,100 J4.3
Pack2_Cell3: J4.2 R28.2 | length 6.4
  Top Layer w0.254: R28.2 189.5,96 J4.2
Pack2_Cell4: J4.1 R20.2 | length 7
  Top Layer w0.254: R20.2 188,92 J4.1
Pressure_Voltage: J21.2 R56.2 | length 28.8
  Top Layer w0.254: R56.2 179.3,8.8 186,15.5 J21.2
Pressure_Voltage_3.3V_5: R56.1 R57.2 U9.1 | length 5.3
  Top Layer w0.254: U9.1 157.69,7.2 R57.2 R56.1
RELAY_GND: J8.1 J9.1 J10.1 J11.1 J12.1 J13.1 J14.1 J15.1 LED3.K SW2.1 | length 327.4
  Top Layer w0.254: J8.1 104,81 102,83 102,97 111.1,106.1 LED3.K
  Top Layer w5.08: J15.1 J13.1 J12.1 152.3,132 SW2.1
  Bottom Layer w0.254: SW2.1@152.3,132 SW2.1
  Bottom Layer w5.08: J10.1 J9.1 J8.1@107,81 ; J10.1 J11.1 56,81 56,132 J15.1 J14.1 J13.1 J12.1 SW2.1@152.3,132
SERVO_PWM: J26.3 U7.6 | length 75
  Top Layer w0.254: U7.6 131.975,53.231 133.263,51.943 139.443,51.943 146.25,58.75 166.672,58.75 178.462,70.54 J26.3
Valve_1: D1.A J5.2 Q1.2 | length 46.7
  Top Layer w0.381: D1.A 172.479,43.621 182.379,43.621 184,42 J5.2
  Top Layer w0.762: Q1.2 162.46,48.54 164,47 D1.A
  Bottom Layer w0.381: D1.A 172.48,43.62 182.38,43.62 184,42 J5.2
Valve_1_GPO: R5.1 U11.1 | length 53.2
  Top Layer w0.254: U11.1 146.27,45.73 147.52,44.48 v2(161.73,44.48) ; v2(163.75,15) R5.1
  Bottom Layer w0.254: v2(161.73,44.48) 163.77,44.48 166.5,41.75 166.5,17.75 v2(163.75,15)
Valve_1_ON_6: R62.1 R63.2 U11.4 U12.1 U14.1 | length 36.4
  Top Layer w0.254: U14.1 v2(147.57,30.43) ; U12.1 v2(147.57,42.43) ; U11.4 150.375,49.125 150.72,49.47 R63.2 ; v2(149,53) 150.75,51.25 v2(151.25,51.25) 151.25,50.53 R63.2 ; R62.1 R63.2
  Bottom Layer w0.254: v2(147.57,30.43) v2(147.57,42.43) 147.57,51.34 149,52.77 v2(149,53)
Valve_1_OR_2_ON_6: U14.4 U15.6 | length 1.8
  Top Layer w0.254: U15.6 U14.4
Valve_1_OR_3_ON_6: U12.4 U13.6 | length 1.7
  Top Layer w0.254: U13.6 U12.4
Valve_2: D2.A J6.2 Q2.2 | length 43.6
  Top Layer w0.254: J6.2@185.5,33.5 J6.2
  Top Layer w0.381: D2.A 172,35 173.5,33.5 174.165,33.5 174.204,33.461 175.256,33.461 175.295,33.5 176.705,33.5 176.744,33.461 177.796,33.461 177.835,33.5 J6.2@185.5,33.5
  Top Layer w0.762: Q2.2 162.46,36.54 164,35 D2.A
  Bottom Layer w0.381: D2.A 172,35 173.5,33.5 174.165,33.5 174.204,33.461 177.796,33.461 177.835,33.5 J6.2@185.5,33.5
Valve_2_GPO: R6.1 U13.1 | length 44.6
  Top Layer w0.254: U13.1 146.27,33.73 147.52,32.48 v2(161.73,32.48) ; v2(163.75,13) R6.1
  Bottom Layer w0.254: v2(161.73,32.48) 157.75,28.5 157.75,24 159.5,22.25 162.25,22.25 162.75,21.75 162.75,14 v2(163.75,13)
Valve_2_ON_6: R64.1 R65.2 U10.1 U13.4 U14.6 | length 55.3
  Top Layer w0.254: U13.4 150.375,37.125 150.72,37.47 R65.2 ; U10.1 v2(147.57,54.43) ; U14.6@147.75,27 147.928,27.178 v2(148.666,27.178) ; v2(150.72,39.28) R65.2 ; R64.1 R65.2
  Bottom Layer w0.254: v2(148.666,27.178) 146.808,29.036 146.808,53.668 v2(147.57,54.43) 148.898,54.43 150.262,53.066 150.262,39.738 v2(150.72,39.28)
Valve_2_OR_3_ON_6: U10.4 U11.6 | length 1.7
  Top Layer w0.254: U11.6 U10.4
Valve_3: D3.A J7.2 Q3.2 | length 53.7
  Top Layer w0.381: D3.A 169.1,25.6 171.881,28.381 181.619,28.381 J7.2
  Top Layer w0.762: Q3.2 162.46,24.54 164,23 D3.A
  Bottom Layer w0.381: D3.A 169.1,25.6 171.881,28.381 181.619,28.381 J7.2
Valve_3_GPO: R7.1 U15.1 | length 29.4
  Top Layer w0.254: U15.1 146.27,21.73 147.52,20.48 v2(161.73,20.48) ; v2(163.75,11.5) 165.55,11.5 R7.1
  Bottom Layer w0.254: v2(161.73,20.48) 161.73,13.52 v2(163.75,11.5)
Valve_3_ON_6: R66.1 R67.2 U10.6 U12.6 U15.4 | length 34.1
  Top Layer w0.254: U12.6 147.836,39.141 v2(148.387,39.141) ; U10.6 147.774,51.079 v2(148.387,51.079) ; U15.4@147.75,25.25 150.555,25.25 150.9,25.595 R67.2@150.9,26 ; v2(150.72,27.28) 150.72,26 R67.2 R67.2@150.9,26 ; R67.2@150.9,26.125 R67.2@150.9,26 ; R66.1 R67.2@150.9,26
  Bottom Layer w0.254: v2(148.387,51.079) v2(148.387,39.141) 148.387,29.613 v2(150.72,27.28)
VBATT: J1.2 J2.2 SW1.2 U2.1 U4.1 | length 454.3
  Top Layer w1.27: SW1.2@161.5,90.75 SW1.2
  Top Layer w2.54: 40,47 v1(39,47) v1(37,47) v1(35,47) 33,47 25,55 25,101 39.5,115.5 U4.1 ; v3(85,47) v3(87,47) v3(89,47) U2.1
  Top Layer w3.81: U4.1 87,115.5 89.25,117.75 v3(95.875,117.75) 102.5,117.75 106.25,114 v3(107,114) v3(115,114) 124.25,114 v3(125,113.25) 147.5,90.75 SW1.2@161.5,90.75
  Top Layer w5.08: 178,109 J2.2
  Top Layer w7.62: SW1.2@165,96 178,109
  Top Layer w8.89: J2.2 J1.2
  Bottom Layer w0.254: SW1.2 SW1.2@164.5,98.5 ; J2.2@178,112.648 176.824,113.824 J2.2
  Bottom Layer w2.54: 34,47 v1(35,47) v1(37,47) v1(39,47) v3(85,47) v3(87,47) v3(89,47) 90,47
  Bottom Layer w3.81: 87,115.5 89.25,117.75 v3(95.875,117.75) 102.5,117.75 106.25,114 v3(107,114) v3(115,114) 124.25,114 147.5,90.75 SW1.2@161.5,90.75
  Bottom Layer w5.08: SW1.2@164.5,98.5 178,112 J2.2@178,112.648
  Bottom Layer w8.89: J2.2 J1.2
  other v3: 150,91 155,91 145,93 140,99 135,104 130,108 85.75,115
VBATT_RELAY: J8.2 J9.2 J10.2 J11.2 J12.2 J13.2 J14.2 J15.2 R16.2 SW1.1 | length 303.5
  Top Layer w0.254: J8.2 109,88 116,95 R16.2
  Top Layer w5.08: J15.2 J13.2 J12.2 134,125 154.5,104.5 SW1.1
  Bottom Layer w5.08: J10.2 J9.2 J8.2@107,88 ; J10.2 J11.2 J15.2 J14.2 J13.2 J12.2 134,125 154.5,104.5 SW1.1
pads on no net: H1.1 H2.1 H3.1 H4.1 H5.1 J16.1 J16.7 J16.8 J16.10 J16.11 J16.12 J16.13 J16.15 J16.16 J16.17 J16.18 J16.19 J16.21 J16.22 J16.23 J16.24 J16.26 J16.32 J16.35 J16.36 J16.37 J16.38 J16.40 J16.MH1 J16.MH2 J16.MH3 J16.MH4 J18.2 J19.2 J22.2 J23.2 J24.2 J25.2 J27.2 J28.2 U1.2 U1.6 U1.8 U1.9 U1.10 U2.MH1 U2.MH2 U4.MH1 U4.MH2
copper on no net:
  other v2: 178,15.75

## Polygon pours and split planes (outlines as drawn)
GND on Top Layer "GND" (solid, pour order 12): 1,138 199,138 199,1 1,1
5.0V on Top Layer "5.0V" (solid, pour order 0): 78.25,98.25 78.25,99.5 49.75,99.5 49.75,2.515 78.25,2.515
GND on Bottom Layer "GND" (solid, pour order 18): 1,138 199,138 199,1 1,1
5.0V on Bottom Layer "5.0V_Bottom" (solid, pour order 2): 50,37.75 78,37.75 78,2.5 50,2.5

## Silkscreen, mask and mechanical layers (free items; w line width, h text height)
Top Overlay:
  text "RELAY ON" at 112.5,97 h0.76 r90
  text "5V ON" at 93.5,94 h0.76 r90
  text "ESC 8" at 118.5,69 h0.76 r90
  text "ESC 7" at 122.5,69 h0.76 r90
  text "ESC 6" at 126.5,69 h0.76 r90
  text "ESC 5" at 130.5,69 h0.76 r90
  text "ESC 4" at 134.5,69 h0.76 r90
  text "ESC 3" at 138.5,69 h0.76 r90
  text "ESC 2" at 142.5,69 h0.76 r90
  text "ESC 1" at 146.5,69 h0.76 r90
  text "Servo" at 193,68.5 h0.76 r90
  text "3.3V ON" at 79,66.5 h0.76 r90
  text "24V ON" at 84,51 h0.76
  text "Depth Sensor" at 181.864,49.022 h0.76 r90
  text "Valve 1" at 182,39.5 h0.76 r90
  text "PWMs" at 120.5,39 h0.76
  text "IMU" at 116,35.5 h0.76
  text "Valve 2" at 182,31.5 h0.76 r90
  text "12V ON" at 84.5,28 h0.76 r90
  text "Valve 3" at 182,22.5 h0.76 r90
  text "Pressure Sensor" at 182,8.5 h0.76 r90
  text "ADC" at 144,3 h0.76
Bottom Overlay:
  drawing of 30 lines, arcs and shapes, not listed
Bottom Solder:
  lines w5.08: 107,81.176 93,81.176 79,81.176 65,81.176 56,81.176 56,132.176 65,132.176 79,132.176 93,132.176 107,132.176 152.3,132.176 ; 107,88.176 93,88.176 79,88.176 65,88.176 65,125.176 79,125.176 93,125.176 107,125.176 134,125.176 154.5,104.676 ; 164.5,98.676 178,112.176
  lines w8.89: 167.75,125.176 178,125.176 192.5,125.176 ; 178,114 192.5,114
Board Outline:
  the board outline again, w0.508

## Text inside footprints (layer, text, board x,y; h text height)
J1: Top Overlay "XT90" at 196.701,121.19 h1.25 r270
J2: Top Overlay "XT90" at 182.201,121.19 h1.25 r270
J8: Top Overlay "XT60" at 104.333,83.286 h0.7 r90
J9: Top Overlay "XT60" at 90.333,83.286 h0.7 r90
J10: Top Overlay "XT60" at 76.333,83.286 h0.7 r90
J11: Top Overlay "XT60" at 62.333,83.286 h0.7 r90
J12: Top Overlay "XT60" at 109.667,129.714 h0.7 r270
J13: Top Overlay "XT60" at 95.667,129.714 h0.7 r270
J14: Top Overlay "XT60" at 81.667,129.714 h0.7 r270
J15: Top Overlay "XT60" at 67.667,129.714 h0.7 r270
J17: Top Overlay "XT60" at 77.333,9.286 h0.7 r90